# Altium PCB Stabilizer.PCBDOC (part 3 of 8) (continued)
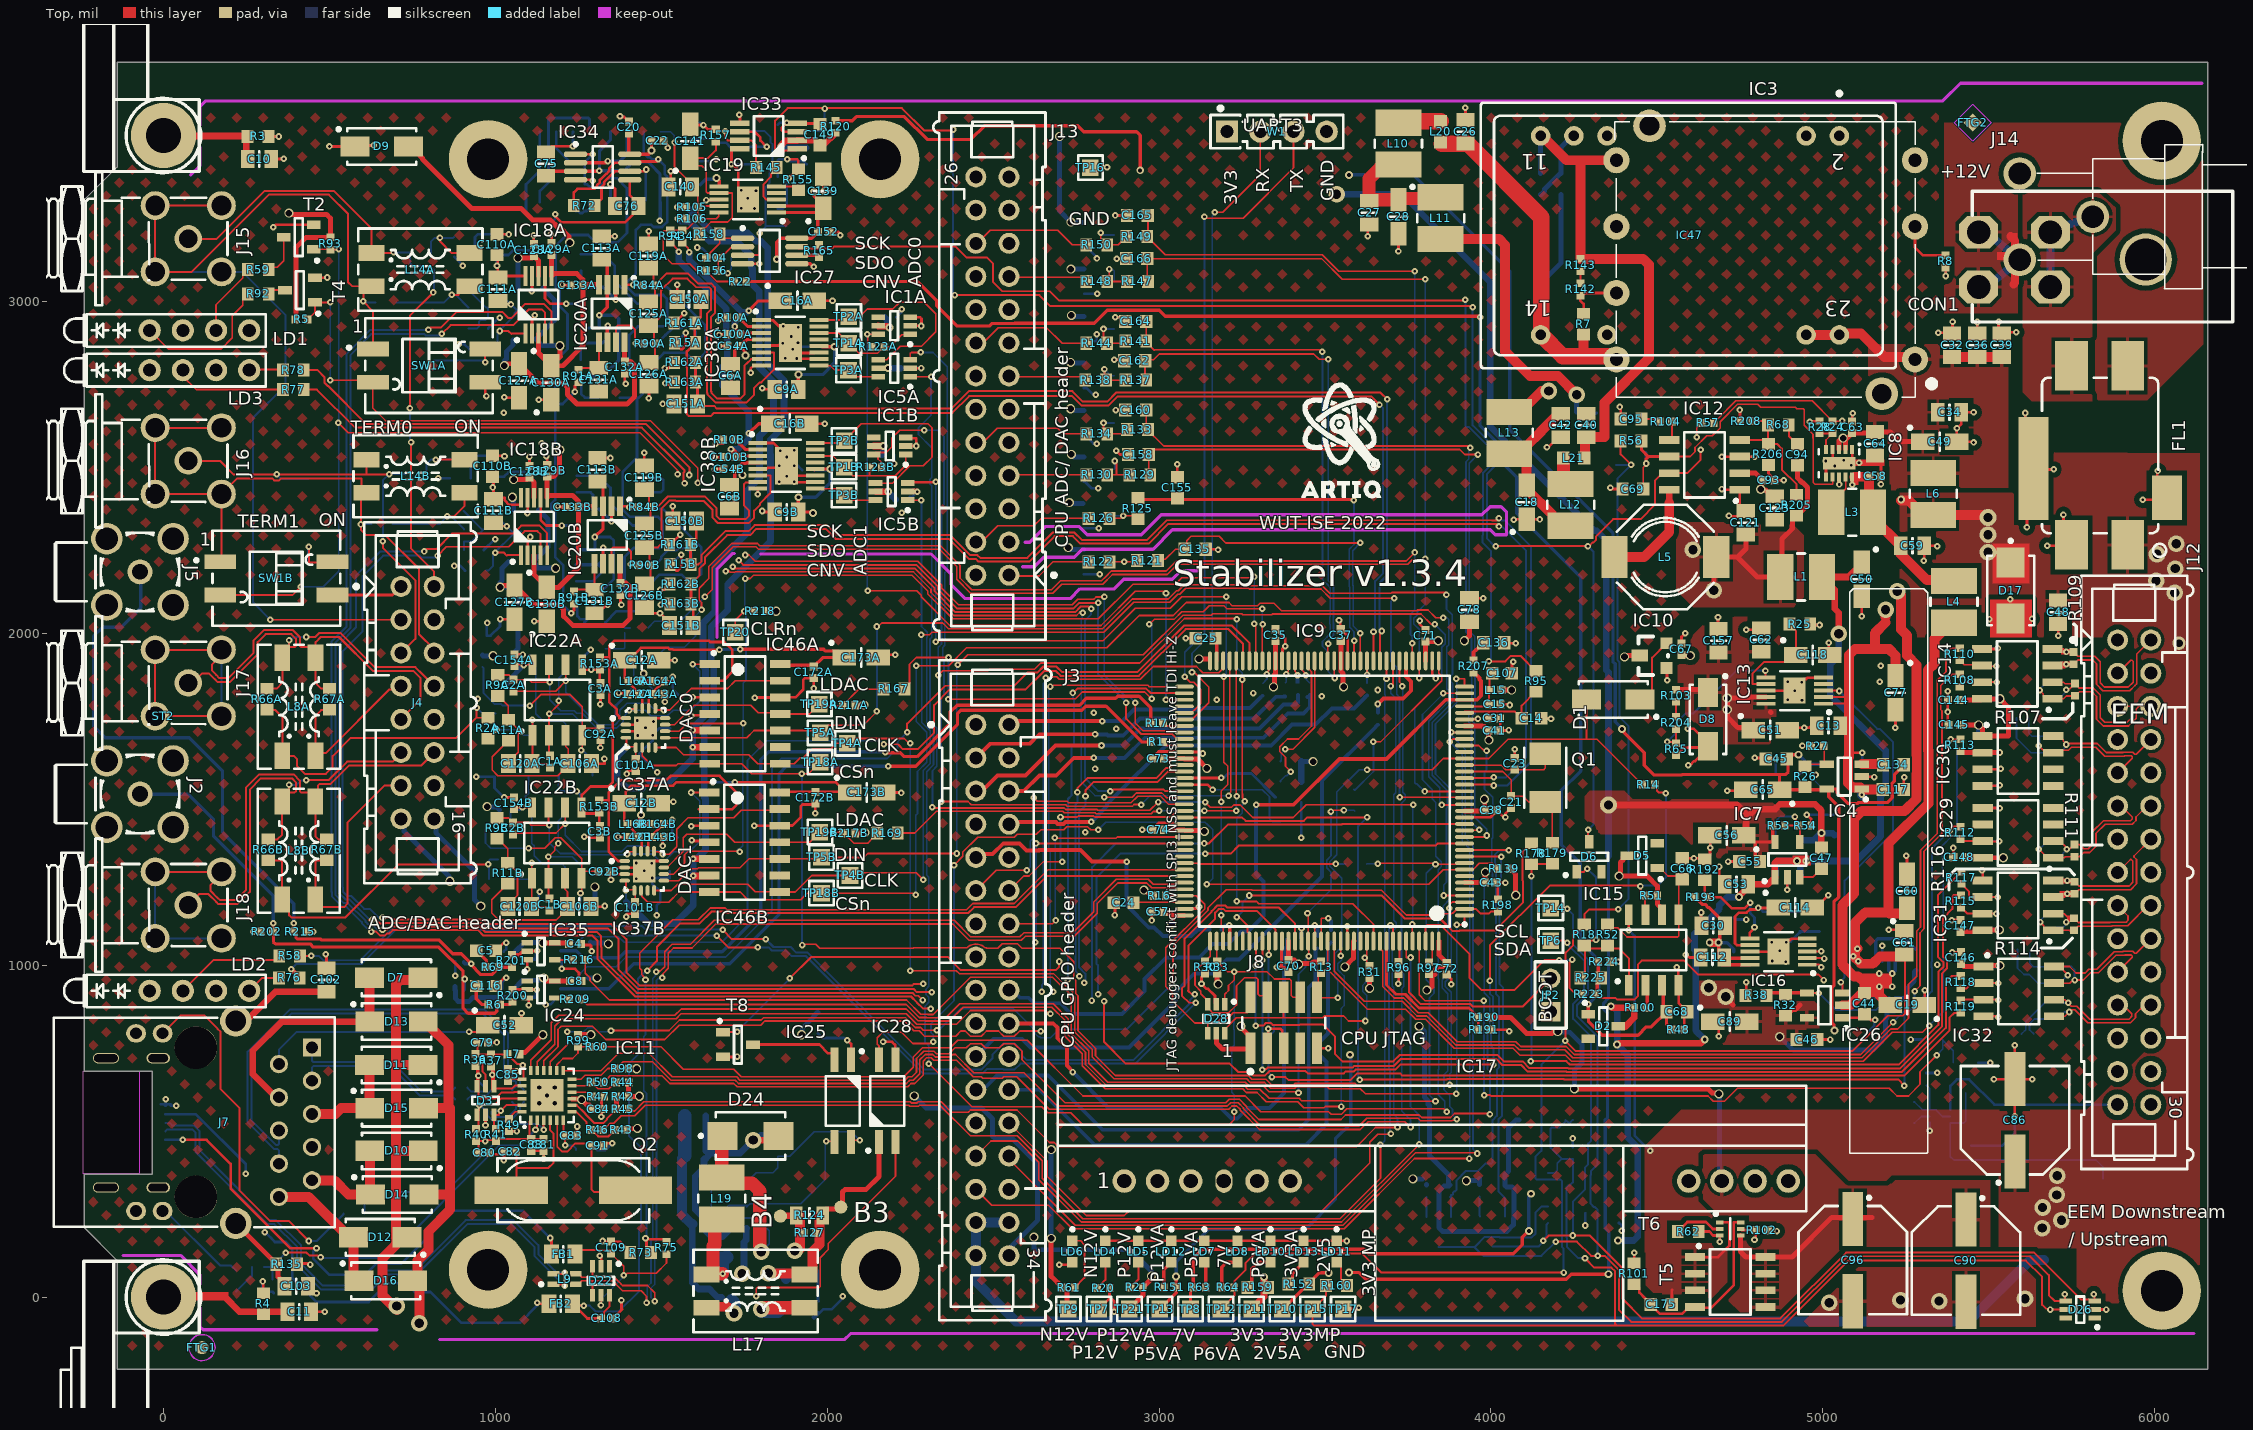
[diagram p0: Top view]
## Nets (pads, with @x,y where several pads share a name; then routed paths per layer and width w, separated by ;. In a path a pad name is that pad's centre, name@x,y a point inside that pad or via, vN(x,y) a via of type N, cw(c..) or ccw(c..) an arc to the next point about the centre after c; other vN are vias at no path point) (continued)
  Bot w6: v1(341,2479) 341,2478.01 353.75,2465.26 R83B.2@435.59,2465.26 ; v1(661,2277.86) 661,2460.85 v1(680,2479.85) 727.58,2479.85 R79B.1@729.57,2477.86
AFE0_A0: IC9.12 IC18A.4 | length 6385.9
  Top w6: v1(660,1107) 672.16,1107 681.54,1116.38 952.59,1116.38 968.81,1100.16 1305.77,1100.16 1318.73,1087.21 1318.73,1055.04 1319.51,1054.25 1319.51,1023.02 1425.89,916.65 2256.92,916.65 2265.64,907.93 2274.77,907.93 2288,894.7 v1(2288,895) ; v1(839,2902.17) 865.58,2928.74 1054.05,2928.74 1101.32,2976.01 1139.92,2976.01 1149.82,2966.12 IC18A.4@1149.82,2903.44 ; v1(3138.52,1336) 3215.82,1336 3240.78,1360.96 3833.94,1360.96 3839.72,1366.74 IC9.12@3920.4,1366.74
  L3 w6: v1(2288,895) 2406.12,895 2426.88,874.24 2568.71,874.24 2632.23,937.75 2687.84,937.75 2712.59,913 v1(2816,913)
  Bot w6: v1(660,1107) 645.79,1107 639.32,1113.47 633.8,1118.98 624.13,1118.98 623.95,1119.16 621.61,1119.16 616.37,1124.4 615.44,1124.4 609,1130.84 609,1134.11 555.89,1187.22 543.87,1187.22 518.22,1212.87 518.22,1224.89 518,1225.11 518,1971.06 562.9,2015.96 562.9,2838.22 626.85,2902.17 785.5,2902.17 791.03,2896.64 833.47,2896.64 v1(839,2902.17) ; v1@2815.22,913 2815.22,1000.08 2811.1,1004.2 2811.1,1264.1 2883,1336 v1(3138.52,1336)
AFE0_A1: IC9.15 IC18A.5 | length 6564.4
  Top w6: v1(626.41,1101.14) 640.63,1101.14 652.61,1089.16 667.39,1089.16 674.23,1096 681,1096 690.38,1105.38 948.03,1105.38 964.26,1089.16 1292.77,1089.16 1307.73,1074.21 1307.73,1050.48 1308.51,1049.69 1308.51,1018.47 1421.33,905.65 2252.37,905.65 2270.16,887.85 2270.16,887.61 2288.77,869 v1(2312,869) ; v1(798.42,2914.48) 805.27,2921.33 835.9,2921.33 883.31,2968.74 1020.56,2968.74 1039.6,2949.7 1047.7,2949.7 1090.65,2992.65 1146.31,2992.65 1169.5,2969.46 IC18A.5@1169.5,2903.44 ; v1(3135.71,1366.74) 3150.11,1366.74 3207.02,1423.66 3549.98,1423.66 3552.12,1425.79 IC9.15@3920.4,1425.79
  L3 w6: v1(2312,869) 2344.56,869 2345.56,868 2347.12,869.56 2431.44,785.24 2564.16,785.24 2565.86,786.94 2632.96,786.94 2636.25,783.65 2651.13,783.65 2761.04,893.55 v1(2796.69,893.55)
  Bot w6: v1(626.41,1101.14) 619.39,1108.16 617.05,1108.16 611.81,1113.4 610.89,1113.4 598,1126.29 598,1129.55 551.33,1176.22 539.31,1176.22 507.22,1208.31 507.22,1220.33 507,1220.55 507,1975.62 551.9,2020.51 551.9,2842.77 623.6,2914.48 v1(798.42,2914.48) ; v1(2796.69,893.55) 2798.16,895.03 2798.16,1295.69 2869.2,1366.74 v1(3135.71,1366.74)
AFE1_A0: IC9.85 IC18B.4 | length 4988.4
  Top w6: v1(660,1143) 686,1143 690.62,1138.38 961.7,1138.38 975.35,1124.73 1348.41,1124.73 1394.45,1078.69 1394.45,979.2 1435,938.65 2256.1,938.65 2261.07,943.62 v1(2289,943.62) ; v1(825.83,2234.27) 852.41,2260.84 1040.89,2260.84 1088.15,2308.1 1126.76,2308.1 1136.65,2298.21 IC18B.4@1136.65,2235.54 ; v1(2754,1521) 2754,1533.65 2783.94,1563.59 2991.18,1563.59 3021.86,1594.27 3032.83,1594.27 3041,1602.44 3075.39,1602.44 IC9.85@3075.91,1602.96
  L3 w6: v1(2289,943.62) 2410.82,943.62 2447.71,980.5 2704.27,980.5 2711.61,987.84 2739.16,987.84 v1(2760,967)
  Bot w6: v1(660,1143) 648.23,1143 621.44,1169.79 604.43,1169.79 565,1209.22 552.98,1209.22 540.22,1221.98 540.22,1234.78 540,1235 540,1946.13 600,2006.13 600,2172.2 662.06,2234.27 772.33,2234.27 777.86,2228.73 820.3,2228.73 v1(825.83,2234.27) ; v1(2754,1521) 2754,1490 2748.25,1484.25 2748.25,981.89 2760,970.14 v1(2760,967)
AFE1_A1: IC9.86 IC18B.5 | length 5122.5
  Top w6: v1@625.42,1130.91 620,1136.33 629.67,1136.33 v1(629,1137) 640.77,1137 652.61,1125.16 667.39,1125.16 669.62,1127.38 957.15,1127.38 973.37,1111.16 1338.72,1111.16 1371.18,1078.69 1371.18,986.91 1430.45,927.65 2261.48,927.65 2270.12,919 v1(2315,919) ; v1(785.25,2246.58) 792.1,2253.43 822.73,2253.43 870.14,2300.84 1053.57,2300.84 1077.48,2324.75 1133.15,2324.75 1156.33,2301.56 IC18B.5@1156.33,2235.54 ; v1(2778.22,1509) 2778.22,1527.28 2803.53,1552.59 2995.74,1552.59 3026.42,1583.27 IC9.86@3075.91,1583.27
  L3 w6: v1(2315,919) 2397.68,919 2431.44,885.24 2564.16,885.24 2627.67,948.75 2692.4,948.75 2702.99,938.16 2762.16,938.16 2771,947 v1(2775,947)
  Bot w6: v1@620,1135.4 621.32,1135.4 v1@628.2,1142.28 ; v1(629,1137) v1@629,1141.49 ; v1(785.25,2246.58) 653.19,2246.58 580,2173.39 580,2017.5 529,1966.5 529,1229.66 529.22,1229.44 529.22,1217.42 548.42,1198.22 560.44,1198.22 621.58,1137.09 627.49,1143 v1@628.2,1142.28 ; v1(2775,947) 2777.84,949.84 2777.84,974.39 2759.25,992.99 2759.25,1462.09 2778.22,1481.07 v1(2778.22,1509) ; v1@628.2,1142.28 v1@629,1141.49 ; v1@628.2,1142.28 628.92,1143 629,1142.92 v1@629,1141.49
AFE_PWR_ON: IC9.142 R223.1 | length 785.2
  Top w6: IC9.142@3803.27,1072.45 3803.27,1115.99 3807.7,1120.41 3848.23,1120.41 3934.8,1033.84 3934.8,961.94 3971.08,925.66 4071.39,925.66 4160.96,1015.23 v1(4206.16,1015.23) ; v1(4244.48,1017.06) 4244.48,1015.18 4236,1006.7 4236,931.43 4248.9,918.53 4250.69,918.53 4256.46,912.76 R223.1@4277.08,912.76
  Bot w6: v1(4206.16,1015.23) 4207.08,1016.15 4243.56,1016.15 v1(4244.48,1017.06)
AT_EVENT: IC9.8 IC28.4 R139.1 | length 2762.7
  Top w5: IC28.4@2155.76,715.04 2155.76,756.84 2150.79,761.82 2150.79,781.37 2167.89,798.47 2223.33,798.47 2257.92,763.87 2309.9,763.87 2315.03,769 v1(2319,769) ; v1(2382.01,1301.54) 2408.8,1328.33 2408.8,1340.89 2453.65,1385.74 2563.95,1385.74 2572.29,1394.08 2630.15,1394.08 2644.03,1407.97 2712.64,1407.97 2722.05,1417.37 2784.27,1417.37 2793.68,1407.97 v1(2816.16,1407.97) ; v1(3143.99,1244.29) 3812.28,1244.29 3855.99,1288 IC9.8@3920.4,1288 3944.88,1288 3947.81,1290.93 3949.07,1290.93 3965.09,1306.96 4004.62,1306.96 4011.16,1300.41 4011.95,1300.41 4020.87,1291.49 R139.1@4020.87,1290.7
  Bot w5: v1(2319,769) 2319,790.47 2312.66,796.82 2312.66,823.29 2382.01,892.65 v1(2382.01,1301.54) ; v1(2816.16,1407.97) 2839.21,1431.02 3138.52,1431.02 3145.26,1424.28 3145.51,1424.28 3161.17,1408.62 3161.17,1261.47 v1(3143.99,1244.29)
AVDD: C15.1 C107.2 IC9.33 L15.2 | length 173.5
  Top w6: IC9.33@3920.4,1780.12 3988.17,1780.12 C15.1@3993.82,1785.78 3993.82,1827.22 L15.2@3995.79,1829.19 3995.79,1871.02 C107.2@4004.06,1879.29
AVDDT_PHY: C52.1 C79.1 C80.2 C81.2 C85.2 C88.2 D3.5 IC11.1 IC11.19 J7.4 J7.9 L7.1 R36.2 R37.2 R40.1 R41.1 | length 2167.1
  Top w6: v1(920.76,799.38) C52.1@941.62,799.38 ; C52.1@943.68,797.32 C52.1@941.62,799.38 ; C79.1@946.43,765.43 946.43,732.19 946.97,731.64 958.74,731.64 ; R40.1@948.82,470.04 v1(969,470.04) ; R40.1@949.82,470.04 949.82,445.01 C80.2@950.21,444.61 ; v1@968.5,473.05 R41.1@1002.94,473.05 ; D3.5@970.05,635.56 970.05,671.04 961.7,679.39 961.7,728.67 958.74,731.64 ; C52.1@976.77,815.15 961,799.38 C52.1@941.62,799.38 ; 1014.04,475.96 C88.2@1108.24,475.96 ; C85.2@1036.42,649.52 1043.73,656.84 IC11.19@1080.68,656.84 1085,661.16 v1@1085,692 ; v1@1089.16,702.84 1065.22,702.84 L7.1@1036.42,731.64 958.74,731.64 ; IC11.1@1106.27,532.82 1103.16,529.71 1103.16,481.04 C88.2@1108.24,475.96 ; C81.2@1145.64,475.96 C88.2@1108.24,475.96
  L3 w6: J7.9@347.8,701.91 481.41,701.91 517.72,665.6 517.72,511.7 457.94,451.91 J7.4@447.8,451.91 ; v1(920.76,799.38) 967,753.14 967,648.77 968.84,646.92 968.84,558.2 943,532.36 943,499 v1@971.96,470.04
  Bot w6: J7.9@347.8,701.91 347.8,745.13 402.04,799.38 v1(920.76,799.38) ; J7.4@447.8,451.91 J7.4@447.8,464.2
  other v1: 1082.23,698
CLRnA: IC9.65 IC37A.10 IC37B.10 R218.1 TP20.1 | length 3361.8
  Top w5: IC37B.10@1507.76,1274.42 1536.55,1274.42 1570.01,1307.88 1570.01,1332.95 1580.38,1343.31 1599.46,1343.31 1599.62,1343.47 1735.41,1343.47 v1(1736.81,1342.08) ; IC37A.10@1511.49,1705.04 1553.74,1705.04 1577.14,1728.45 v1(1746.5,1728.45) ; TP20.1@1723.28,2003.18 1723.28,2039.71 v1(1750.07,2066.5) 1750.33,2066.76 R218.1@1780,2066.76 ; v1(1753,2165) 1767.77,2165 1777.77,2175 2255.57,2175 2302.85,2127.71 2302.85,2118.65 2377.87,2043.63 2816.63,2043.63 2921.2,2148.2 3032.08,2148.2 3032.26,2148.02 3049.69,2148.02 3068.66,2167 3283,2167 v1(3287,2171) ; v1(3287,2029) 3291.46,2024.54 IC9.65@3291.46,1916.94
  Bot w5: 1729.74,1349.15 1733.88,1349.15 1745,1360.27 1745,1728.45 1746.5,1729.95 1746.5,1850.14 1755.15,1858.79 1755.15,2057.45 1750.07,2062.53 v1(1750.07,2066.5) 1751.54,2067.97 1751.54,2163.54 v1(1753,2165) ; v1@3287,2028.1 v1(3287,2171)
CPU_REF_P2V048: IC27.7 R95.1 R165.2 | length 3439.2
  Top w6: IC27.7@1908.44,3164.89 1913.14,3160.19 2015.21,3160.19 2019.91,3164.89 2387.05,3164.89 2420,3131.94 2481.77,3131.94 2500,3113.71 2500,3058.12 2527.44,3030.68 2670.2,3030.68 2697.76,3003.12 3920.51,3003.12 v1(3922.99,3005.6) ; v1(3993.86,1915.74) 4043.59,1915.74 4059.66,1931.82 4088.99,1931.82 4134.03,1886.78 R95.1@4136,1886.78
  Bot w6: v1(3922.99,3005.6) 3922.99,2624.87 3926.51,2621.36 3934.39,2621.36 4003.7,2552.05 4003.7,2511.64 3976.5,2484.44 3976.5,2296.52 3974.86,2294.88 3974.86,2273.29 3999.84,2248.31 3999.84,1921.73 v1(3993.86,1915.74)
CPU_RESETn: IC15.7 R14.2 R51.2 T8.1 | length 4108.4
  Top w6: T8.1@1685.78,798.4 1728.49,798.4 v1(1729.09,799) ; v1(1887.54,960.1) 1952.56,1025.12 2362.52,1025.12 2402.41,985.24 2688.67,985.24 2699,995.57 v1(2699,1011.14) ; v1(2834,890.94) 2834,769 2899.44,703.56 3212.72,703.56 3238.17,678.11 3272.59,678.11 3283.52,667.19 3303.68,667.19 3303.76,667.11 3318.88,667.11 3332.61,680.84 3441.14,680.84 3447.98,674 3556.52,674 3562.36,679.84 3587.22,679.84 3592.38,685 3711.42,685 3726.61,700.19 v1(4006.9,700.19) ; v1(3996.9,952.98) 3996.9,1059.81 4177.1,1240 v1@4450.43,1240 ; v1(4450.43,1238.07) 4450.43,1223.62 R51.2@4464.3,1209.75 IC15.7@4464.3,1146.67 ; R14.2@4493.04,1543.9 4499.83,1537.11 4499.83,1526.35 4506.21,1519.96 4525.04,1519.96 v1(4527,1518)
  L3 w6: v1(2699,1011.14) 2774.28,1011.14 2833.84,951.58 2833.84,891.1 v1(2834,890.94)
  Bot w6: v1(1729.09,799) 1729.09,800.32 1887.54,958.78 v1(1887.54,960.1) ; v1(3996.9,952.98) 3996.9,914.41 4006.47,904.84 4006.47,809.15 4000.06,802.74 4000.06,756.74 4006.9,749.89 v1(4006.9,700.19) ; v1(4450.43,1238.07) 4452.35,1240 4503,1240 4527,1264 v1(4527,1518)
CSN: IC9.93 R112.1 | length 3889.1
  Top w6: IC9.93@3075.91,1445.48 3249.63,1445.48 3260.45,1434.66 3436.21,1434.66 3446.71,1445.16 3626.17,1445.16 v1(3626.5,1445.48) ; v1(3604,655) 3866.21,655 3868.35,657.14 4218.88,657.14 4219.83,656.19 5226.47,656.19 v1(5245.5,637.15) ; v1(5381.65,1405.01) 5393.92,1417.28 R112.1@5414.58,1417.28 R112.1@5409.67,1422.19
  Bot w6: v1(3604,655) 3600.29,658.71 3600.29,666 3599.78,666.51 3599.78,1418.76 v1(3626.5,1445.48) ; v1(5245.5,637.15) 5245.5,847.61 5304.79,906.89 5314.02,906.89 5328.34,921.21 5328.34,993.4 5327.16,994.58 5327.16,1009.36 5328.34,1010.55 5328.34,1351.7 v1(5381.65,1405.01)
DAC0_LDACn: IC37A.11 IC46A.11 R167.1 R217A.2 TP19A.1 | length 729.4
  Top w5: IC37A.11@1511.49,1724.73 1539.75,1724.73 1598.53,1783.51 1769.86,1783.51 1792.26,1761.11 1844.94,1761.11 1848.97,1757.07 1946.68,1757.07 1953.64,1764.04 TP19A.1@1976.14,1786.54 1981.26,1781.41 2045.26,1781.41 R217A.2@2047.25,1783.4 2047.25,1784.19 2094.88,1831.82 2168.52,1831.82 R167.1@2169.5,1832.81
DAC0R_LDACn: IC9.64 R167.2 | length 1734.9
  Top w5: R167.2@2232.5,1832.81 2247.71,1848.02 2247.71,1906.91 2267.89,1927.09 v1(2365.45,1927.09) ; v1(2365,1801) 2558.91,1801 2560.89,1802.98 2748.01,1802.98 2768.04,1823.01 2956.74,1823.01 v1(2977.45,1802.3) ; v1(2970.23,2027.09) 2985.01,2041.87 3045.13,2041.87 3068.07,2064.81 3133.45,2064.81 3151.3,2082.66 3195.4,2082.66 3197.36,2080.7 3204.54,2073.51 v1(3311.15,2073.51) ; IC9.64@3311.15,1916.94 3311.15,2026.15 v1(3312,2027)
  Bot w5: v1(2365,1801) 2365.45,1801.45 v1(2365.45,1927.09) ; v1(2970.23,2027.09) 2970.23,2029.45 2977.45,2036.67 v1(2977.45,1802.3) ; v1(3311.15,2073.51) 3311.15,2027.85 v1(3312,2027)
DAC1_LDACn: IC37B.11 IC46B.11 R169.1 R217B.2 TP19B.1 | length 755.8
  Top w5: IC37B.11@1507.76,1294.1 1517.02,1294.1 1566.13,1343.21 1566.13,1383.87 1576.35,1394.08 1697.42,1394.08 1721.11,1370.39 1847.42,1370.39 1947.14,1370.39 TP19B.1@1977.77,1401.03 2044.04,1401.03 R217B.2@2047.46,1397.62 ; R217B.2@2050.21,1397.41 2080.52,1367.09 2122,1367.09 2127.5,1372.59 2127.5,1373.94 2149.79,1396.23 R169.1@2149.79,1398.2
DAC1_OUT1: C153A.2 C166.2 IC9.40 R147.1 | length 4813
  Top w5: v1(1631.65,2110.36) 1653.31,2132.02 1653.31,2197.31 1716.84,2260.84 1785.42,2260.84 1792.92,2253.34 2338.02,2253.34 2390.14,2201.22 2390.14,2162.61 2431.75,2121 2680.01,2121 2707.03,2148.02 2830.54,2148.02 2859.51,2177 3024.92,2177 3055.92,2208 3749.09,2208 3762.75,2221.66 3798.74,2221.66 v1(3802.08,2225) ; R147.1@2966.3,3060.21 2964.33,3062.18 C166.2@2964.33,3129.11 3489.28,3129.11 3551.45,3066.93 v1(3802.08,3066.93) ; v1(3783.59,1865.22) IC9.40@3783.59,1916.94
  Bot w5: C153A.2@1460.31,2015.96 1460.31,2016.78 1479.46,2035.93 1557.22,2035.93 v1(1631.65,2110.36) ; v1(3783.59,1865.22) 3783.59,2011.89 3767.66,2027.82 3767.66,2045.18 3777.82,2055.34 3777.82,2063.82 3802.08,2088.08 v1(3802.08,3066.93)
DAC1_OUT2: C153B.2 C165.2 IC9.41 R149.1 | length 4747.9
  Top w5: v1(1621.26,2070.8) 1621.26,2092.69 1614.31,2099.63 1614.31,2136.04 1643.31,2165.04 1643.31,2201.45 1712.7,2270.84 1790.08,2270.84 1796.73,2264.2 2341.3,2264.2 2400.14,2205.36 2400.14,2166.75 2435.9,2131 2675.86,2131 2702.89,2158.02 2826.4,2158.02 2838.96,2170.59 2838.96,2170.92 2856.03,2187.99 3021.77,2187.99 3051.78,2218 3744.95,2218 v1(3770.58,2243.63) ; C165.2@2966.3,3259.02 2966.3,3197.03 R149.1@2964.33,3195.05 3018.46,3140.92 3491.61,3140.92 3541.26,3091.27 v1(3770.58,3091.27) ; v1(3762.95,1970.01) 3762.95,1917.89 IC9.41@3763.9,1916.94
  Bot w5: C153B.2@1495.74,1932.32 1495.74,1939.21 1514.9,1958.36 1569.79,1958.36 1602.85,1991.42 1602.85,2052.39 v1(1621.26,2070.8) ; v1(3762.95,1970.01) 3762.95,1990.7 3757.66,1996 3757.66,2057.8 3770.58,2070.73 v1(3770.58,3091.27)
DAC1R_LDACn: IC9.68 R169.2 | length 1529.3
  Top w5: R169.2@2227.99,1381.01 2212.78,1396.23 R169.2@2212.78,1398.2 2263.72,1398.2 2329.26,1463.74 2710.07,1463.74 2714.47,1459.34 2807.33,1459.34 2810.01,1456.66 2976.28,1456.66 2982.71,1463.09 2997.98,1463.09 v1(3000.06,1465.16) ; v1(3136.69,1465.28) 3232.29,1465.28 v1(3232.41,1465.16) ; IC9.68@3232.41,1916.94 3232.41,1510.65 v1(3234.06,1509)
  Bot w5: v1(3000.06,1465.16) 3000.18,1465.28 v1(3136.69,1465.28) ; v1(3232.41,1465.16) v1@3232.41,1509
DAC_0_N: J4.9 J17.2 L8A.3 R67A.2 | length 2425.2
  Top w6: J17.2@174.8,1750.39 J17.2@-25.2,1750.39 J17.2@-25.2,1950.39 J17.2@174.8,1950.39 174.8,1934.94 145.55,1905.68 145.55,1888.14 158.89,1874.79 168.52,1865.16 194.88,1865.16 271.65,1941.93 271.65,1978.55 302.75,2009.64 390.3,2009.64 411.07,1988.86 411.07,1961.84 414.59,1958.32 437.73,1958.32 L8A.3@458.35,1937.7 ; R67A.2@500.48,1832.69 500.08,1833.09 475.31,1833.09 458.35,1850.04 L8A.3@458.35,1926.32 L8A.3@458.35,1937.7 ; J4.9@708.7,1740.88 J4.9@715.52,1740.88 773.83,1799.19 773.83,1865.84 753.85,1885.83 632.01,1885.83 528.97,1988.86 473.64,1988.86 458.35,1973.58 L8A.3@458.35,1937.7
  Bot w6: J17.2@-25.2,1750.39 J17.2@174.8,1750.39 J17.2@174.8,1950.39 J17.2@-25.2,1950.39
DAC_0_P: J4.8 J17.1 L8A.4 R66A.2 | length 1182.1
  Top w6: J17.1@74.8,1850.39 87.48,1850.39 116.74,1879.65 137.06,1879.65 156.52,1860.19 163.55,1853.16 199.85,1853.16 283.65,1936.96 283.65,1973.58 307.72,1997.64 385.33,1997.64 399.07,1983.89 399.07,1961.84 395.56,1958.32 378.98,1958.32 L8A.4@378.29,1957.64 ; R66A.2@311.52,1833.12 340.86,1833.12 358.35,1850.61 L8A.4@358.35,1926.32 378.29,1946.25 L8A.4@378.29,1957.64 ; v1(378.29,1978.55) L8A.4@378.29,1957.64 ; v1(429.92,1988.86) 456.67,1988.86 468.67,2000.86 533.95,2000.86 636.98,1897.83 758.82,1897.83 782.32,1874.33 815.52,1841.13 J4.8@815.52,1840.88
  Bot w6: v1(378.29,1978.55) 381.99,1978.55 392.31,1988.86 v1(429.92,1988.86)
DAC_1_N: J4.12 J18.2 L8B.3 R67B.2 | length 2878
  Top w6: J18.2@-25.2,1281.1 J18.2@171.93,1281.1 ; J18.2@174.8,1281.1 174.8,1274.04 141.35,1240.58 141.35,1225.03 162.63,1203.75 170.56,1195.82 217.87,1195.82 248,1225.94 248,1534.19 288.61,1574.8 392.26,1574.8 411.07,1555.99 411.07,1524 414.59,1520.49 437.04,1520.49 457.67,1499.86 L8B.3@457.67,1492.79 ; R67B.2@491.93,1378.97 466.71,1378.97 457.67,1388.02 L8B.3@457.67,1492.79 ; J4.12@812.14,1640.88 J4.12@815.52,1640.88 ; J4.12@813.83,1639.18 776.02,1601.38 558.31,1601.38 502.31,1545.37 469.67,1545.37 466.15,1541.86 466.15,1525.55 478.29,1513.41 L8B.3@457.67,1492.79
  L3 w6: J18.2@-61.26,1080.64 J18.2@-25.2,1080.64 ; J18.2@174.8,1081.1 J18.2@-25.2,1081.1 J18.2@-25.2,1281.1 J18.2@174.8,1281.1 J18.2@187.56,1281.1
  Bot w6: J18.2@-61.26,1280.64 -25.66,1280.64 J18.2@-25.2,1281.1 ; J18.2@174.8,1081.1 J18.2@-25.2,1081.1 J18.2@-25.2,1281.1 ; J18.2@181.11,1281.1 J18.2@174.8,1281.1 J18.2@-25.2,1281.1
DAC_1_P: J4.11 J18.1 L8B.4 R66B.2 | length 1331.3
  Top w6: J18.1@74.8,1181.1 108.26,1214.56 134.85,1214.56 158.56,1190.85 165.59,1183.82 222.84,1183.82 260,1220.97 260,1529.22 293.58,1562.8 387.29,1562.8 399.07,1551.02 399.07,1524 395.56,1520.49 L8B.4@378.29,1520.49 ; R66B.2@315.63,1378.97 343.33,1378.97 357.67,1393.31 357.67,1491.01 L8B.4@357.67,1492.79 378.29,1513.41 L8B.4@378.29,1520.49 ; v1(378.29,1543.63) L8B.4@378.29,1520.49 ; v1(429.92,1557.37) 497.33,1557.37 553.34,1613.38 690.71,1613.38 710.74,1633.41 715.52,1633.41 J4.11@715.52,1640.88
  Bot w6: v1(378.29,1543.63) 402.04,1543.63 415.53,1557.12 429.66,1557.12 v1(429.92,1557.37)
DAC_O1_OUT1: J13.19 R148.2 | length 227.1
  Top w5: J13.19@2558.43,3072.6 2768.04,3072.6 R148.2@2780.44,3060.21
DAC_O1_OUT2: J13.22 R150.2 | length 362.8
  Top w5: J13.22@2458.43,3172.6 2458.43,3181.57 2491.32,3214.47 2694.52,3214.47 2738.54,3170.44 R150.2@2780.44,3170.44
DAC_VDDA: C12A.1 C142A.2 C172A.2 C173A.1 IC37A.15 IC46A.14 L16A.2 | length 1073.8
  Top w8: IC37A.15@1442.59,1773.94 1442.59,1807.39 C142A.2@1433.52,1816.46 1433.52,1820.58 1400.26,1853.85 L16A.2@1400.26,1855.5 1389.84,1865.92 C12A.1@1389.84,1918.73 1400.66,1918.73 1438.23,1956.3 1520.07,1956.3 1524.03,1952.34 1534.39,1952.34 1536.5,1950.23 v1(1675.34,1950.23)
  Top w10: v1@1737.15,1951.46 v1(1737.81,1952.12) 1989.27,1952.12 1994.7,1946.69 2031.42,1946.69 C173A.1@2051.03,1927.09 1986.02,1927.09 C172A.2@1959.39,1900.46 1956.08,1903.76 1852.28,1903.76 IC46A.14@1848.97,1907.07
  Bot w8: v1(1675.34,1950.23) 1676.29,1951.18 1736.86,1951.18 v1(1737.81,1952.12)
DAC_VDDB: C12B.1 C142B.2 C172B.2 C173B.1 IC37B.15 IC46B.14 L16B.2 | length 1085.3
  Top w8: IC37B.15@1440.83,1341.35 1440.83,1376.77 C142B.2@1431.76,1385.84 1431.76,1389.96 1398.49,1423.22 L16B.2@1398.49,1424.88 1388.07,1435.3 C12B.1@1388.07,1488.11 1393.38,1493.42 1393.38,1524 1410.26,1540.88 1535.39,1540.88 1546.16,1551.65 v1(1654.51,1551.65) ; v1@1728.62,1550.93 1722,1550.93 v1(1721.95,1550.89) 2026.5,1550.89 C173B.1@2055.13,1522.25 ; IC46B.14@1882.85,1520.39 1884.71,1522.25 C172B.2@1964.2,1522.25 C173B.1@2055.13,1522.25 ; C173B.1@2067.82,1520.39 2056.99,1520.39 C173B.1@2055.13,1522.25
  Bot w8: v1(1654.51,1551.65) 1654.89,1551.27 1721.57,1551.27 v1(1721.95,1550.89)
DAC_VlogicA: C99A.1 C143A.2 IC37A.14 R164A.2 | length 199.7
  Top w8: IC37A.14@1462.28,1771.97 IC37A.14@1462.28,1773.94 1462.28,1804.66 C143A.2@1474.09,1816.47 1474.09,1821.09 1508.51,1855.5 R164A.2@1509.16,1855.5 1529.86,1855.5 1535,1860.64 v1(1535,1869)
  Bot w8: v1(1535,1869) 1535,1830.84 C99A.1@1550.48,1815.35
DAC_VlogicB: C99B.1 C143B.2 IC37B.14 R164B.2 | length 199
  Top w8: IC37B.14@1460.51,1341.35 1460.51,1374.03 C143B.2@1472.33,1385.84 1472.33,1390.46 1506.74,1424.88 R164B.2@1507.4,1424.88 1528.1,1424.88 1533,1429.78 v1(1533,1438)
  Bot w8: v1(1533,1438) 1533,1400.44 C99B.1@1548.71,1384.73
DI0: IC9.124 R176.2 R216.2 | length 3506.1
  Top w5: R216.2@1270.99,1015.87 1270.99,976.21 1285.22,961.98 1285.22,952.93 1343.14,895 2239.03,895 2281.82,852.22 2303.26,852.22 2303.82,851.66 2319.57,851.66 2431.65,963.73 2678.6,963.73 2713.67,928.66 2716.29,928.66 2729.33,915.61 2729.33,905.9 2735.74,899.49 2735.74,794.32 2788.22,741.84 2788.22,704.95 2845.56,647.61 3259.96,647.61 3270.96,636.61 3313.58,636.61 3331.37,618.81 v1@3427.34,618.81 ; v1(3447.11,1157.07) 3449,1155.18 3449,1072.51 IC9.124@3448.94,1072.45 3450.86,1070.53 v1(3450.86,1027.23) ; v1(3517.84,1463) 3521.81,1463 3525.21,1466.4 v1(3556.98,1466.4)
  Bot w5: v1(3420,616) 3420,972.91 3441.28,994.19 3441.28,1016.96 3450.86,1026.54 v1(3450.86,1027.23) ; v1(3447.11,1157.07) 3517.84,1227.8 3517.84,1280.49 3504.66,1293.67 3504.66,1316.33 3517.84,1329.51 v1(3517.84,1463) ; v1(3556.98,1466.4) 3587.11,1466.4 R176.2@3589,1464.5
DI1: IC9.9 R177.1 R209.2 | length 3832.3
  Top w5: R209.2@1259.74,897.04 1259.74,896.25 1268.65,887.33 1269.44,887.33 1275.27,881.51 2238.38,881.51 2277.67,842.22 2299.11,842.22 2299.67,841.66 2356.96,841.66 2399.03,883.73 2680.88,883.73 2725.74,838.87 2725.74,790.18 2778.22,737.7 2778.22,700.81 2841.42,637.61 3255.82,637.61 3266.82,626.61 3303.58,626.61 3331.53,598.66 3422.01,598.66 3429.15,591.52 3555.55,591.52 3556.98,590.09 v1(3832.8,590.09) ; v1@3659,1307.68 3822.53,1307.68 3822.92,1307.29 3829.99,1307.29 v1(3832.8,1304.48) 3917.2,1304.48 IC9.9@3920.4,1307.68
  Bot w5: R177.1@3625.5,1305 3626.5,1306 v1(3659,1306) ; v1(3832.8,590.09) 3814.49,608.4 3814.49,902.28 3828.12,915.92 3828.12,933.55 3805.06,956.6 3805.06,1276.75 v1(3832.8,1304.48)
DIO0: D30.3 J5.1 R69.2 R201.1 R215.1 | length 2342.5
  Top w10: v1(392.72,1125.98) 392.81,1125.89 392.81,1101.48 399.33,1094.96 399.33,1082.11 402.5,1078.94 472.88,1078.94 475.67,1076.16 829.5,1076.16 871.61,1034.05 897.16,1034.05 v1(927.3,1003.91) ; v1@925.6,1002.99 925.6,1002.21 956,971.81 989.11,971.81 1011.45,994.16 1049.84,994.16 R201.1@1049.98,994.3
  Bot w10: J5.1@-90.79,2187 -68,2164.21 -68,2077.67 -126.97,2018.7 -183.3,2018.7 -210,1992 -210,1719.79 -175.25,1685.04 77.76,1685.04 178,1584.8 178,1399.76 392.72,1185.04 v1(392.72,1125.98) ; D30.3@904.55,1011.19 904.55,1006.78 907.43,1003.91 v1(927.3,1003.91)
DIO1: D30.4 J2.1 R6.2 R200.1 R202.1 | length 1618.8
  Top w10: R202.1@330.03,1101.14 330.37,1101.48 330.37,1125.64 v1(330.71,1125.98) ; R202.1@331.5,1092.52 331.5,1069.8 337.35,1063.94 442.47,1063.94 451.66,1054.75 829.7,1054.75 902.74,981.71 902.74,869.6 917.43,854.92 998,854.92 1003.86,860.77 1003.86,869.42 1015,880.57 R6.2@1015,881.36 1043,881.36 1051.14,889.5 R200.1@1051.93,889.5
  Bot w10: J2.1@-71.1,1515.28 74.35,1515.28 151,1438.64 151,1388.53 330.71,1208.82 v1(330.71,1125.98) ; D30.4@904.55,924.57 905.99,926.01 905.99,956.99 v1(907.43,958.43)
DO0: IC9.79 R17.2 | length 67.8
  Top w6: R17.2@3011.79,1729.63 3011.79,1729.49 3020.2,1721.07 IC9.79@3075.91,1721.07
DO1: IC9.82 R1.2 | length 69
  Top w6: R1.2@3011.79,1672.76 3011.79,1671.97 3021.74,1662.01 IC9.82@3075.91,1662.01
EEM_GPIO0: R117.1 R178.1 R179.1 | length 2444.4
  Top w6: v1(4120,711.05) 4227.19,711.05 4238.06,700.19 5228.14,700.19 5348.32,820.36 5348.32,980.05 5362.84,994.58 5362.84,1009.36 5346.22,1025.99 5346.22,1211.08 R117.1@5417.14,1282 ; v1(4122,1268.6) R178.1@4122,1304.5 4183.5,1304.5 R179.1@4185,1306.01
  Bot w6: v1(4120,711.05) 4122,713.05 v1(4122,1268.6)
EEM_GPIO1: IC9.116 R115.1 | length 2925
  Top w6: v1(3291,817) 3292.87,818.87 3314.7,818.87 3321.67,825.84 3336.45,825.84 3342.3,820 3423.29,820 3424.29,821 3494.15,821 3529.78,785.37 3529.78,732.55 3552.09,710.23 3705.54,710.23 3724.34,729.03 4019.95,729.03 4038.7,710.27 4095.55,710.27 4115.68,690.14 4232.55,690.14 4233.5,689.19 5232.7,689.19 5359.32,815.81 5359.32,975.5 5373.84,990.03 5373.84,1013.92 5362.34,1025.42 5362.34,1141.74 5390.04,1169.44 5390.04,1206.66 5394.24,1210.86 R115.1@5416.15,1210.86 ; v1(3291.33,998.67) 3291.33,1072.31 IC9.116@3291.46,1072.45
  Bot w6: v1(3291,817) 3291.16,817.16 3291.16,998.51 v1(3291.33,998.67)
EEM_GPIO2: IC9.117 R118.1 | length 2722.9
  Top w6: v1(3310.86,1015.51) 3310.86,1072.16 IC9.117@3311.15,1072.45 ; v1(3311.15,684.96) 3313.76,687.58 3323.79,687.58 3328.05,691.84 3583.66,691.84 3588.66,696.84 3707.71,696.84 3728.89,718.03 4015.39,718.03 4034.15,699.27 4090.99,699.27 4111.13,679.14 4227.99,679.14 4228.94,678.19 5237.26,678.19 5370.32,811.25 5370.32,949.17 5388.54,967.4 R118.1@5415.54,967.4
  Bot w6: v1(3310.86,1015.51) 3310.86,685.24 v1(3311.15,684.96)
EEM_GPIO3: IC9.118 R119.1 | length 2619.2
  Top w6: v1(3330.26,1031.02) 3330.83,1031.58 IC9.118@3330.83,1072.45 ; v1(3340,663) 3380.75,663 3389.41,654.34 3577.28,654.34 3596.93,674 3725.98,674 3732.59,667.4 3863.05,667.4 3863.79,668.14 4223.44,668.14 4224.39,667.19 5245.5,667.19 5381.32,803 5381.32,841.44 5396.57,856.69 R119.1@5415.54,856.69
  Bot w6: v1(3330.26,1031.02) 3330.26,832.03 3346.9,815.39 3346.9,800.61 3330.26,783.97 3330.26,676.36 3340,666.63 v1(3340,663)
ETH_PHY_NRST: IC9.2 IC11.15 R198.2 | length 3346.1
  Top w5: IC11.15@1165.33,682.43 1165.33,708.82 1216.39,759.88 v1(1216.39,799) ; v1@1354.93,803 1523.33,803 1555.06,834.73 1800.98,834.73 1807.97,841.71 2235.75,841.71 2265.25,812.22 2281.45,812.22 2289.67,804 v1(2330,804) ; v1(3037.8,943) 3042.17,943 3041.66,943.51 3041.66,1032.31 3044.87,1035.52 3044.87,1062.77 3147.54,1165.45 3147.54,1172.72 3202.16,1227.34 3278.96,1227.34 3280.75,1225.55 3670.12,1225.55 3744.54,1151.14 3841.07,1151.14 3844.59,1154.66 3881.18,1154.66 3883.09,1156.57 3884.46,1156.57
  Top w6: 3884.46,1156.57 3897.78,1169.89 3954.47,1169.89 3969.18,1155.18 3993.82,1155.18 3999.74,1161.1 4020.08,1161.1 R198.2@4020.87,1161.89
  Bot w5: v1(1216.39,799) 1265.68,799 1278.96,812.28 1296.59,812.28 1309.87,799 v1@1340.5,799 ; v1(2330,804) 2332.81,806.81 2339.19,806.81 2401.94,869.56 2560.4,869.56 2626.3,803.66 2626.3,794.31 2636.46,784.15 2640.49,784.15 2643.64,781 2672.62,781 2698.91,807.28 2902.08,807.28 v1(3037.8,943)
  other v1: 1348.48,803
Force_EEM_Source: IC9.141 R197.2 T11.1 | length 2256.8
  Top w5: IC9.141@3783.59,1072.45 3783.59,911.03 3801.31,893.31 v1(3978.63,893.31) ; v1@3980.66,607.55 v1(3979.56,608.65) 3997.54,608.65 4000.19,606 4654.02,606 4669.93,590.09 4703.43,590.09 4742.8,629.46 5200.19,629.46 5223.54,606.1 5257.86,606.1 5292.66,640.9 5292.66,678.66 v1(5343,729)
  Bot w5: v1(3978.63,893.31) 3979.56,892.37 3979.09,891.91 3979.09,609.12 v1(3979.56,608.65) ; v1(5343,729) 5361.48,747.48 R197.2@5361.48,774.03 ; R197.2@5361.48,776 R197.2@5361.48,774.03 ; T11.1@5393.24,706 5393.24,742.27 R197.2@5361.48,774.03